# Altium PCB PCB2_homemade.PcbDoc (part 1 of 3)
Units mil, origin at the board's own origin, x right, y up, seen from the top; angles counter-clockwise.
Board outline 3547.27 x 5122.08 mil, 2 copper layers (Top Layer, Bottom Layer); 55 components, 55 nets, 298 pads, 98 vias.
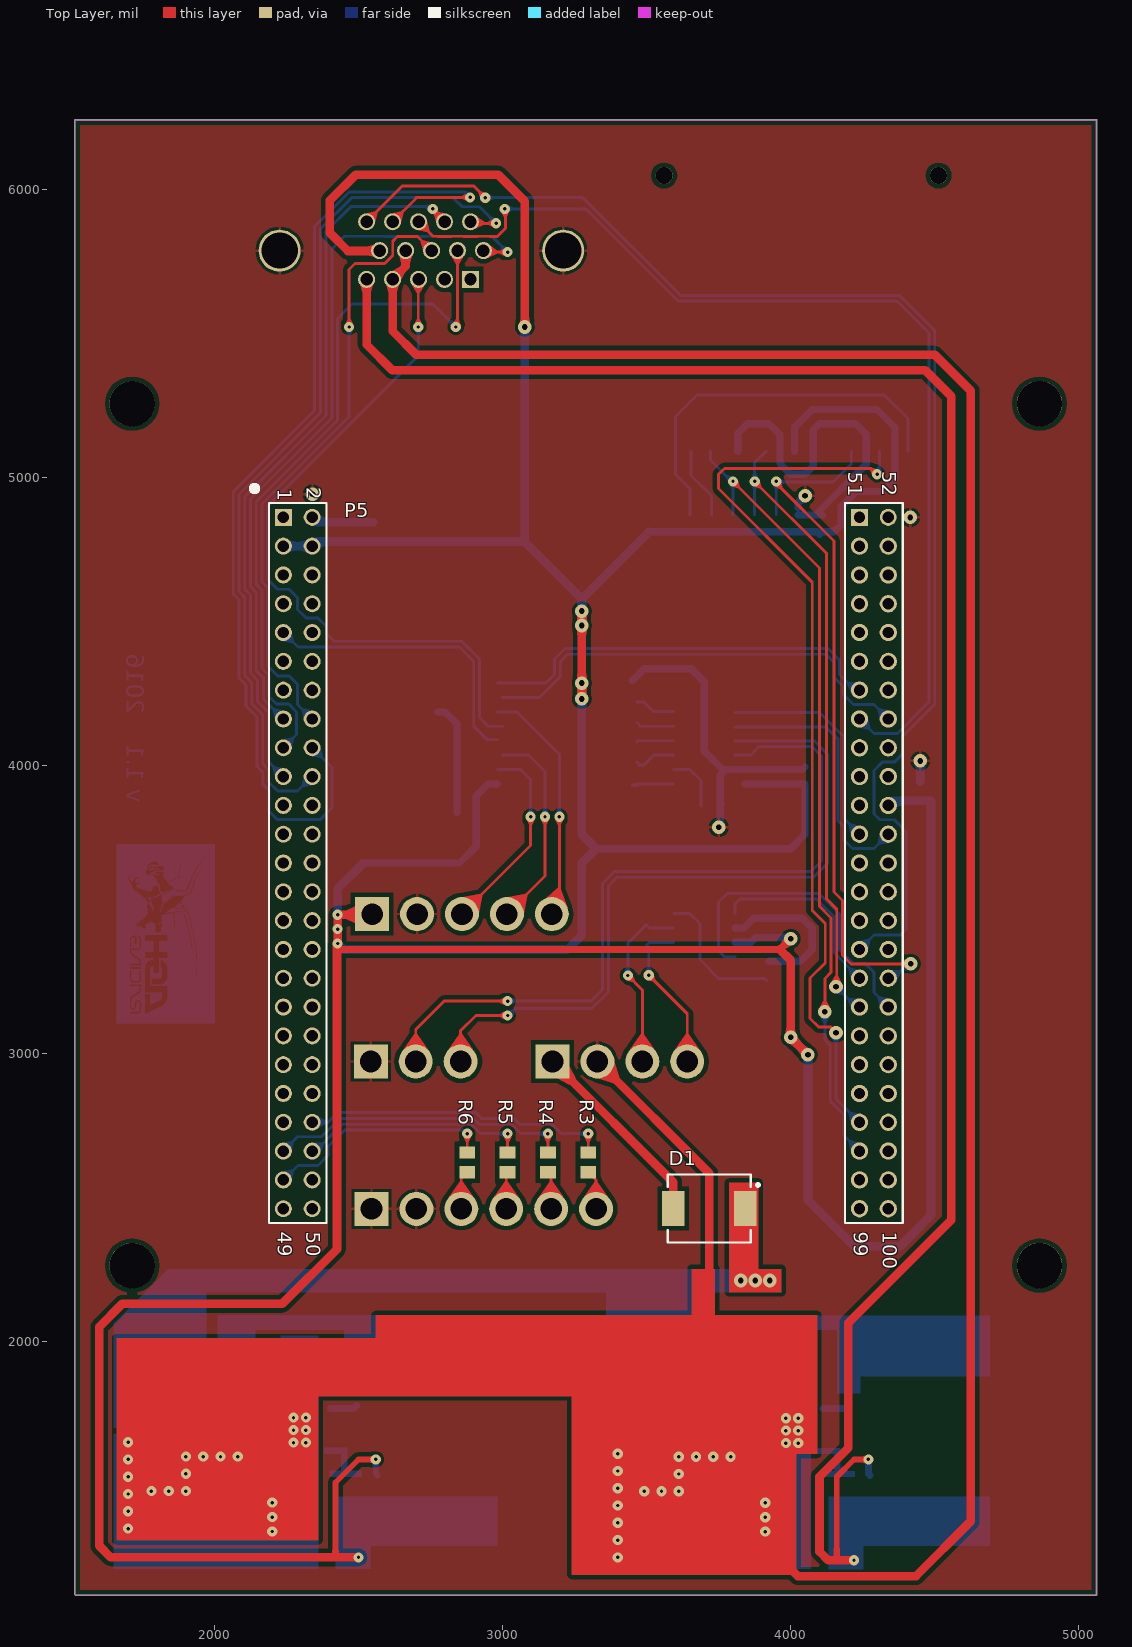
[diagram p0: Top Layer view]
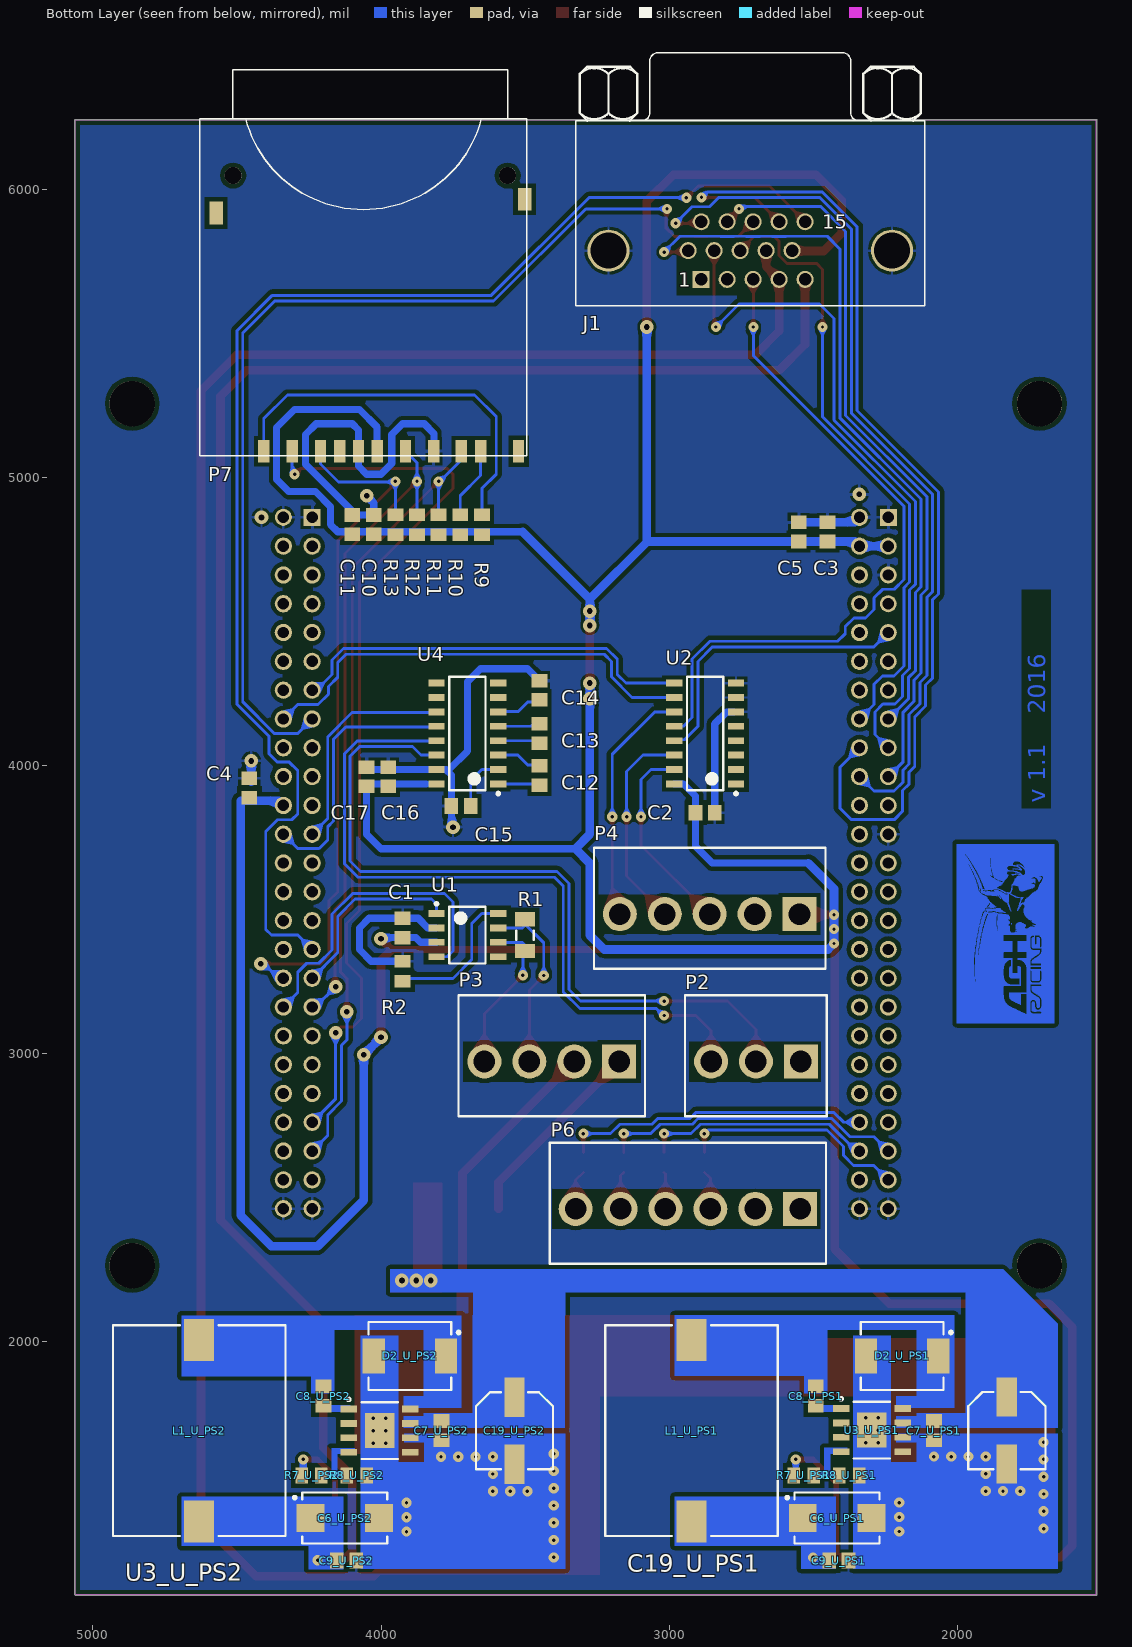
[diagram p1: Bottom Layer view, seen from below]
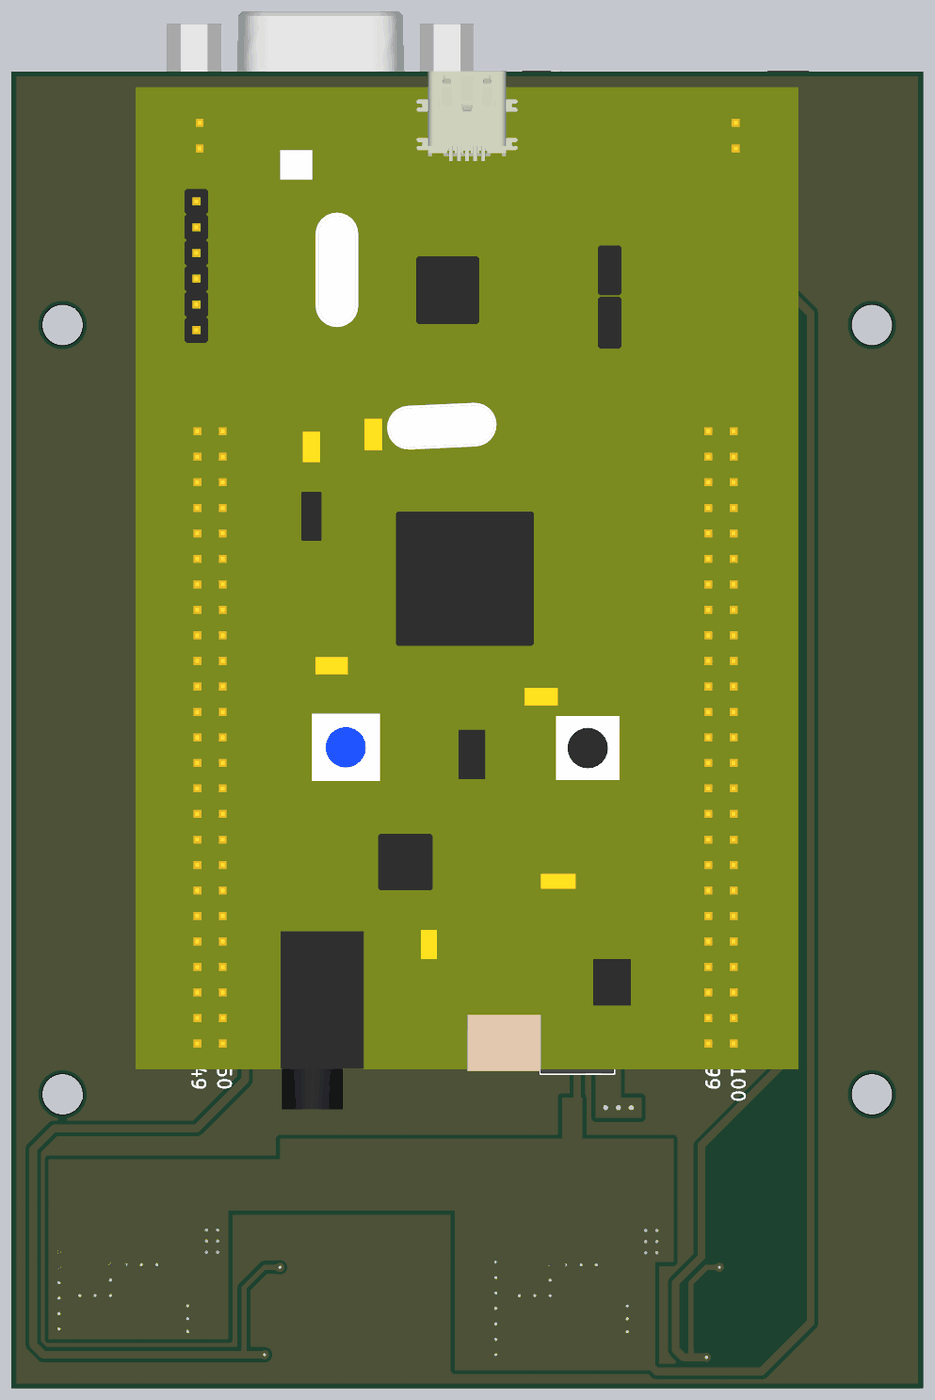
[diagram p4: 3D render of the assembled board from above, using the file's embedded part models]
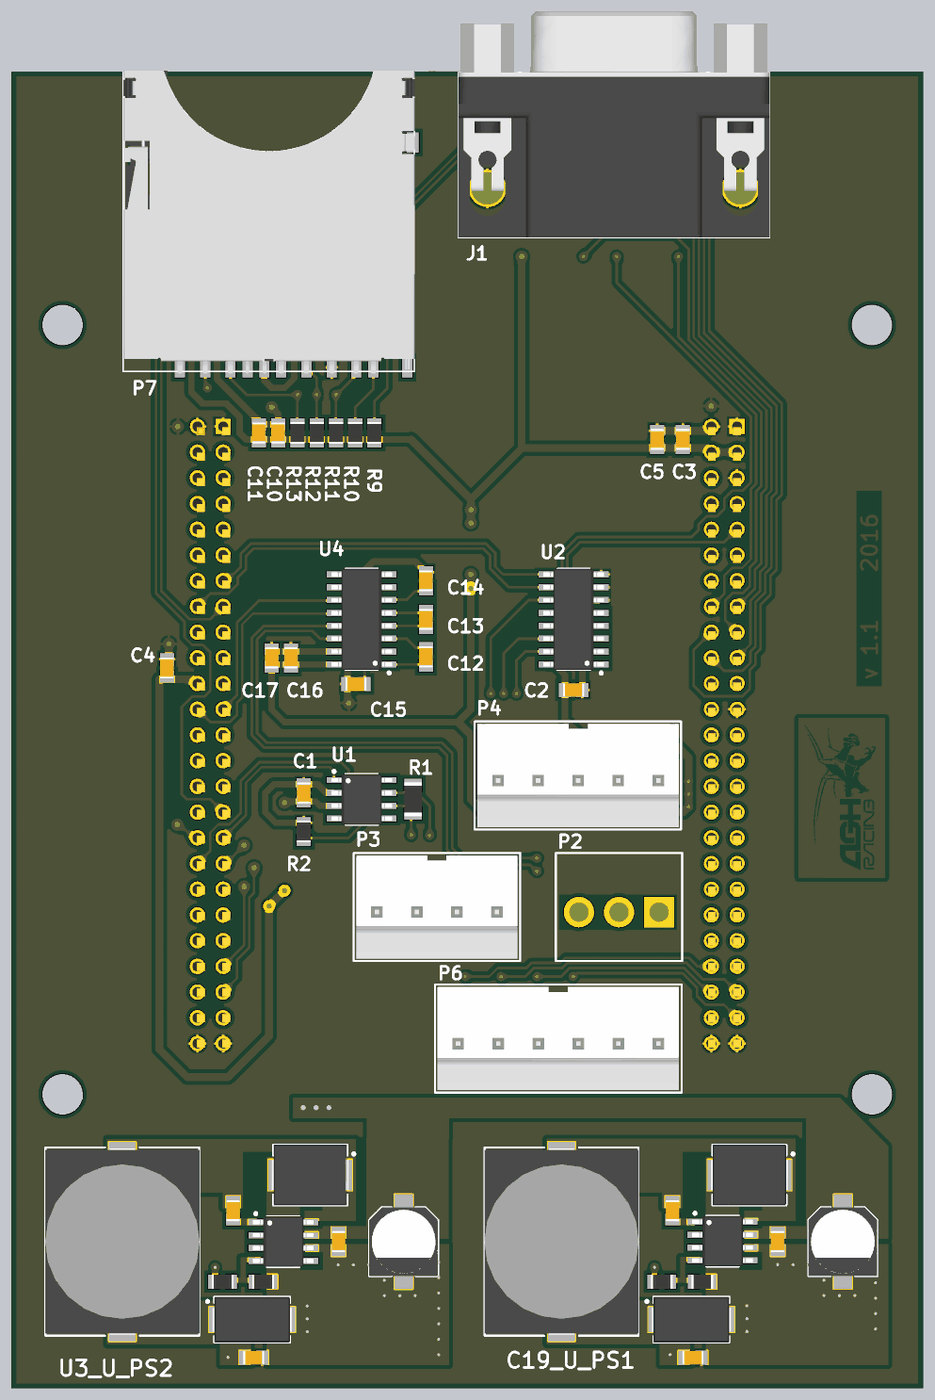
[diagram p5: 3D render of the assembled board from below, using the file's embedded part models]

## Layer stack, top to bottom
Top Solder: solder mask 0.4, Solder Resist, Dk 3.5
Top Layer: signal copper 1.4
Dielectric 1: dielectric 12.6, FR-4, Dk 4.8
Bottom Layer: signal copper 1.4
Bottom Solder: solder mask 0.4, Solder Resist, Dk 3.5

## Board outline
1515.34,1121.02 ccw(c1517.32,1121.02) 1517.32,1119.04 5060.63,1119.04 ccw(c5060.63,1121.02) 5062.61,1121.02 5062.61,6239.13 ccw(c5060.63,6239.13) 5060.63,6241.12 1517.32,6241.12 ccw(c1517.32,6239.13) 1515.34,6239.13

## Design rules (kind name [scope] priority, off if disabled: settings)
Clearance [All] p1: gap=10 except(15: Track-Poly SMDPad-Poly THPad-Poly THPad-Region Poly-Region)
PolygonConnect [All] p1: connectstyle=Relief reliefconductorwidth=10 reliefentries=4 polygonreliefangle="90 Angle" airgapwidth=10
RoomDefinition U_Discovery [InComponentClass('U_Discovery')] p1: confinementstyle=ConfineIn formatcopy=TRUE lockcomponents=FALSE outline 1911.02,2144.65 4666.93,2144.65 4666.93,6278.5 1911.02,6278.5
RoutingVias [All] p1: holewidth=28 width=50 viastyle="Through Hole" minholewidth=28 minwidth=50 maxholewidth=28 maxwidth=50
SolderMaskExpansion [All] p1: expansion=4
Width "Schematic Width Constraint_1" [InNet('NetD1_1')] p1: maxlimit=30 minlimit=20 preferedwidth=25 minimp=50.000000 maximp=50.000000 favimp=50.000000
Width "Schematic Width Constraint" [InNetClass('PowerNets')] p2: maxlimit=30 minlimit=20 preferedwidth=25 minimp=50.000000 maximp=50.000000 favimp=50.000000
Width [All] p3: maxlimit=10 minlimit=10 preferedwidth=10
30 further rules are at their usual default settings.

## Classes and differential pairs
channel class PS: U_PS1 U_PS2
net class PowerNets: +3V3 +5V +12V GND NetC8_U_PS1_1 NetC8_U_PS1_2 NetC8_U_PS2_1 NetC8_U_PS2_2 NetR7_U_PS1_1 NetR7_U_PS2_1 NetU3_U_PS1_2 NetU3_U_PS1_3 NetU3_U_PS1_5 NetU3_U_PS2_2 NetU3_U_PS2_3 NetU3_U_PS2_5
net class CTRL_LED[1..3]: CTRL_LED1 CTRL_LED2 CTRL_LED3
component class U_UART_TO_RS232: C12 C13 C14 C15 C16 C17 U4
component class U_SD_Card_Adapter: C10 C11 P7 R9 R10 R11 R12 R13
component class U_PS2: C6_U_PS2 C7_U_PS2 C8_U_PS2 C9_U_PS2 C19_U_PS2 D2_U_PS2 L1_U_PS2 R7_U_PS2 R8_U_PS2 U3_U_PS2
component class U_PS1: C6_U_PS1 C7_U_PS1 C8_U_PS1 C9_U_PS1 C19_U_PS1 D2_U_PS1 L1_U_PS1 R7_U_PS1 R8_U_PS1 U3_U_PS1
component class U_Discovery: C2 C3 C4 C5 P5 P6 R3 R4 R5 R6 U2
component class U_CAN_Module: C1 R1 R2 U1
component class Main: D1 J1 P2 P3 P4

## Components (designator, comment, footprint, x,y, rotation, side; value= is the part's Value field where it differs from the comment)
C1 "Cap" CAP_0805_IPC_MD 3925,3435 r270 bottom
C2 "Cap" CAP_0805_IPC_MD 2875,3835 r0 bottom
C3 "Cap" CAP_0805_IPC_MD 2450,4810 r270 bottom
C4 "Cap" CAP_0805_IPC_MD 4457.32,3921.02 r270 bottom
C5 "Cap" CAP_0805_IPC_MD 2550,4810 r270 bottom
C6_U_PS1 "Cap Pol" CAP_SMD_D_IPC_MD 2416.81,1386.53 r180 bottom (schematic designator C6)
C6_U_PS2 "Cap Pol" CAP_SMD_D_IPC_MD 4126.02,1386.53 r180 bottom (schematic designator C6)
C7_U_PS1 "Cap" CAP_0805_IPC_MD 2080.79,1690 r90 bottom (schematic designator C7)
C7_U_PS2 "Cap" CAP_0805_IPC_MD 3790,1690 r90 bottom (schematic designator C7)
C8_U_PS1 "Cap" CAP_0805_IPC_MD 2490.79,1810 r90 bottom (schematic designator C8)
C8_U_PS2 "Cap" CAP_0805_IPC_MD 4200,1810 r90 bottom (schematic designator C8)
C9_U_PS1 "Cap" CAP_0805_IPC_MD 2410.79,1238.72 r0 bottom (schematic designator C9)
C9_U_PS2 "Cap" CAP_0805_IPC_MD 4120,1238.72 r0 bottom (schematic designator C9)
C10 "Cap" CAP_0805_IPC_MD 4025,4835 r270 bottom
C11 "Cap" CAP_0805_IPC_MD 4100,4835 r270 bottom
C12 "Cap" CAP_0805_IPC_MD 3450,3964.16 r270 bottom
C13 "Cap" CAP_0805_IPC_MD 3450,4110 r270 bottom
C14 "Cap" CAP_0805_IPC_MD 3450,4260 r270 bottom
C15 "Cap" CAP_0805_IPC_MD 3722.05,3858.43 r180 bottom
C16 "Cap" CAP_0805_IPC_MD 3975,3960 r270 bottom
C17 "Cap" CAP_0805_IPC_MD 4050,3960 r270 bottom
C19_U_PS1 "Cap Pol" CAPAE7866X80M 1827.43,1690 r270 bottom (schematic designator C19)
C19_U_PS2 "Cap Pol" CAPAE7866X80M 3536.64,1689.61 r270 bottom (schematic designator C19)
D1 "SK33" DO214AB_IPC_MD 3717.32,2461.02 r0 top
D2_U_PS1 "SK33" DO214AB_IPC_MD 2190.79,1949.07 r180 bottom (schematic designator D2)
D2_U_PS2 "SK33" DO214AB_IPC_MD 3900,1949.07 r180 bottom (schematic designator D2)
J1 "D-SUB 15" Dsub-3H15 2718.11,5786.38 r180 bottom
L1_U_PS1 "Inductor" IND_DL50_IPC_MD 2921.9,1690 r270 bottom (schematic designator L1)
L1_U_PS2 "Inductor" IND_DL50_IPC_MD 4631.11,1690 r270 bottom (schematic designator L1)
P2 "EMU" HDR_1x3_3_94_LOCKING 2698.43,2971.42 r0 bottom locked
P3 "CAN" HDR_1x4_3_94_LOCKING 3407.09,2971.42 r0 bottom locked
P4 "STEERING WHEEL" HDR_1x5_3_94_LOCKING 3170.87,3483.23 r0 bottom
P5 "STM32F4DISCOVERY" DISCOVERY_F4 3288.98,3660.39 r0 top locked
P6 "CONTROL LEDS" HDR_1x6_3_94_LOCKING 2934.65,2459.61 r0 bottom locked
P7 "SD Card Connector" 693061010911 4037.01,5568.43 r0 bottom locked
R1 "Res" RES_1206_IPC_MD 3500,3410 r90 bottom
R2 "Res" RES_0805_IPC_MD 3925,3285 r270 bottom
R3 "Res" RES_0805_IPC_MD 3297.32,2621.02 r270 top
R4 "Res" RES_0805_IPC_MD 3157.32,2621.02 r270 top
R5 "Res" RES_0805_IPC_MD 3017.32,2621.02 r270 top
R6 "Res" RES_0805_IPC_MD 2877.32,2621.02 r270 top
R7_U_PS1 "Res" RES_0805_IPC_MD 2531.97,1534.33 r0 bottom (schematic designator R7)
R7_U_PS2 "Res" RES_0805_IPC_MD 4241.18,1534.33 r0 bottom (schematic designator R7)
R8_U_PS1 "Res" RES_0805_IPC_MD 2374.49,1534.33 r0 bottom (schematic designator R8)
R8_U_PS2 "Res" RES_0805_IPC_MD 4083.7,1534.33 r0 bottom (schematic designator R8)
R9 "Res" RES_0805_IPC_MD 3650,4835 r270 bottom
R10 "Res" RES_0805_IPC_MD 3725,4835 r270 bottom
R11 "Res" RES_0805_IPC_MD 3800,4835 r270 bottom
R12 "Res" RES_0805_IPC_MD 3875,4835 r270 bottom
R13 "Res" RES_0805_IPC_MD 3950,4835 r270 bottom
U1 "SN65HVD230D" SOIC_8_IPC_MD 3700,3410 r180 bottom
U2 "CD74HC4052" SO_16_IPC_MD 2875,4110 r0 bottom
U3_U_PS1 "TPS5430" SOIC_8_THERMAL_PAD_IPC_MD 2295.75,1691.81 r180 bottom (schematic designator U3)
U3_U_PS2 "TPS5430" SOIC_8_THERMAL_PAD_IPC_MD 4005,1690 r180 bottom (schematic designator U3)
U4 "MAX232IDW" SO_16_IPC_MD 3700,4110 r0 bottom

## Footprints (in the part's own frame and the unit in brackets; to place one, negate y for a bottom-side part, rotate by r counter-clockwise, add the part's x,y. Pads: shape width x height; smd on the part's side, far side on the other; paste and mask are expansions set on the pad)
693061010911 [mm] "WR-CRD SD_Push and Push_with card detection_9 pins"
  rect 1x2 smd: 1(6.9,12.155) 2(4.4,12.155) 3(1.05,12.155) 4(-0.6,12.155) 5(-3.1,12.155) 6(-5.6,12.155) 7(-8.02,12.155) 8(-9.72,12.155) 9(9.4,12.155) CD(2.7,12.155) WP(-13.07,12.155)
  rect 1.2x2 smd: Z1(-13.6,-10.055) Z2(13.6,-8.855)
  round 1.5 hole 1.5 unplated: ""(-12.1,-12.155) ""(12.1,-12.155)
  silkscreen extent -13.77,-21.5 15.03,12.54, body extent -13.8,-17.16 15,12.74, height 3.06
CAP_0805_IPC_MD [mm] "Chip Capacitor, 2-Leads, 0805, SAMSUNG, IPC Medium Density"
  rect 1.2x1.4 smd: 1(-0.85,0) 2(0.85,0)
  body extent -1.05,-0.67 1.05,0.67, height 1.35
CAP_SMD_D_IPC_MD [mm] "Capacitor SMD D, IPC Medium Density"
  rect 2.45x2.5 smd: 1(-3.025,0) 2(3.025,0)
  silkscreen extent -4.53,-2.25 3.75,2.25, body extent -3.97,-2.25 3.97,2.25, height 3.1
CAPAE7866X80M [mm] "Aluminum Electrolytic Capacitor, Body 6,60x6,60x8,00mm, IPC Low Density"
  rect 3.45x1.8 smd: 1(-2.95,0) 2(2.95,0)
  silkscreen extent -3.4,-3.4 3.4,3.4, body extent -3.9,-3.4 3.9,3.4, height 8
DISCOVERY_F4 [mm] "Connector; Header; 25x2 Position"
  rect 1.5x1.5 hole 1: 1(-26.67,30.48) 51(24.13,30.48)
  round 1.5 hole 1: 2(-24.13,30.48) 3(-26.67,27.94) 4(-24.13,27.94) 5(-26.67,25.4) 6(-24.13,25.4) 7(-26.67,22.86) 8(-24.13,22.86) 9(-26.67,20.32) 10(-24.13,20.32) 11(-26.67,17.78) 12(-24.13,17.78) 13(-26.67,15.24) 14(-24.13,15.24) 15(-26.67,12.7) 16(-24.13,12.7) 17(-26.67,10.16) 18(-24.13,10.16) 19(-26.67,7.62) 20(-24.13,7.62) 21(-26.67,5.08) 22(-24.13,5.08) 23(-26.67,2.54) 24(-24.13,2.54) 25(-26.67,0) 26(-24.13,0) 27(-26.67,-2.54) 28(-24.13,-2.54) 29(-26.67,-5.08) 30(-24.13,-5.08) 31(-26.67,-7.62) 32(-24.13,-7.62) 33(-26.67,-10.16) 34(-24.13,-10.16) 35(-26.67,-12.7) 36(-24.13,-12.7) 37(-26.67,-15.24) 38(-24.13,-15.24) 39(-26.67,-17.78) 40(-24.13,-17.78) 41(-26.67,-20.32) 42(-24.13,-20.32) 43(-26.67,-22.86) 44(-24.13,-22.86) 45(-26.67,-25.4) 46(-24.13,-25.4) 47(-26.67,-27.94) 48(-24.13,-27.94) 49(-26.67,-30.48) 50(-24.13,-30.48) 52(26.67,30.48)
  round 1.524 hole 1: 53(24.13,27.94) 54(26.67,27.94) 55(24.13,25.4) 56(26.67,25.4) 57(24.13,22.86) 58(26.67,22.86) 59(24.13,20.32) 60(26.67,20.32) 61(24.13,17.78) 62(26.67,17.78) 63(24.13,15.24) 64(26.67,15.24) 65(24.13,12.7) 66(26.67,12.7) 67(24.13,10.16) 68(26.67,10.16) 69(24.13,7.62) 70(26.67,7.62) 71(24.13,5.08) 72(26.67,5.08) 73(24.13,2.54) 74(26.67,2.54) 75(24.13,0) 76(26.67,0) 77(24.13,-2.54) 78(26.67,-2.54) 79(24.13,-5.08) 80(26.67,-5.08) 81(24.13,-7.62) 82(26.67,-7.62) 83(24.13,-10.16) 84(26.67,-10.16) 85(24.13,-12.7) 86(26.67,-12.7) 87(24.13,-15.24) 88(26.67,-15.24) 89(24.13,-17.78) 90(26.67,-17.78) 91(24.13,-20.32) 92(26.67,-20.32) 93(24.13,-22.86) 94(26.67,-22.86) 95(24.13,-25.4) 96(26.67,-25.4) 97(24.13,-27.94) 98(26.67,-27.94) 99(24.13,-30.48) 100(26.67,-30.48)
  silkscreen extent -29.46,-31.75 27.94,33.27, body extent -32.77,-36.99 32.73,65.58, height 17.5
DO214AB_IPC_MD [mm] "Molded Diode, DO214AB, Diotec Semiconductor, IPC Medium Density"
  rect 1.95x3.05 smd: 1(-3.175,0) 2(3.175,0)
  silkscreen extent -3.65,-3 4.43,3, body extent -3.85,-3 3.84,3, height 2.5
Dsub-3H15 [mm] "Dsub 15 pins, right angled"
  rect 1.5x1.5 hole 1.1: 1(-4.33,-2.54)
  round 1.5 hole 1.1: 2(-2.04,-2.54) 3(0.25,-2.54) 4(2.54,-2.54) 5(4.83,-2.54) 6(-5.475,0) 7(-3.185,0) 8(-0.895,0) 9(1.395,0) 10(3.685,0) 11(-4.33,2.54) 12(-2.04,2.54) 13(0.25,2.54) 14(2.54,2.54) 15(4.83,2.54)
  round 3.7 hole 3.2: 16(12.5,0) 17(-12.5,0)
  silkscreen extent -15.4,-4.87 15.4,17.43, body extent -15.4,-4.86 15.4,17.44, height 12.51
HDR_1x3_3_94_LOCKING [mm]
  rect 3x3 hole 1.9: 1(-3.96,0)
  round 3 hole 1.9: 2(0,0) 3(3.96,0)
  silkscreen extent -6.25,-5.84 6.25,4.83
HDR_1x4_3_94_LOCKING [mm]
  rect 3x3 hole 1.9: 1(-5.94,0)
  round 3 hole 1.9: 2(-1.98,0) 3(1.98,0) 4(5.94,0)
  silkscreen extent -8.23,-5.84 8.23,4.83, body extent -7.97,-5.6 7.98,4.6, height 13.85
HDR_1x5_3_94_LOCKING [mm]
  rect 3x3 hole 1.9: 1(-15.84,0)
  round 3 hole 1.9: 2(-11.88,0) 3(-7.92,0) 4(-3.96,0) 5(0,0)
  silkscreen extent -18.13,-5.84 2.29,4.83, body extent -17.92,-5.6 1.99,4.6, height 13.85
HDR_1x6_3_94_LOCKING [mm]
  rect 3x3 hole 1.9: 1(-9.9,0)
  round 3 hole 1.9: 2(-5.94,0) 3(-1.98,0) 4(1.98,0) 5(5.94,0) 6(9.9,0)
  silkscreen extent -12.19,-5.84 12.19,4.83, body extent -11.93,-5.6 11.94,4.6, height 13.85
IND_DL50_IPC_MD [mm] "DL50, Inductor, Ferrocore, IPC Medium Density"
  rect 3.7x2.65 smd: 1(-8,0) 2(8,0)
  silkscreen extent -9.3,-7.6 9.3,7.6, body extent -9.18,-7.62 9.18,7.62, height 7.21
RES_0805_IPC_MD [mm] "Chip Resistor, 2-Leads, 0805, Royal Ohm, IPC Medium Density"
  rect 1.1x1.4 smd: 1(-0.875,0) 2(0.875,0)
  body extent -1.07,-0.7 1.07,0.7, height 0.65
RES_1206_IPC_MD [mm] "Chip Resistor, 2-Leads, 1206, IPC Medium Density"
  rect 1.25x1.75 smd: 1(-1.4,0) 2(1.4,0)
  silkscreen extent -0.4,-0.77 0.4,0.77, body extent -1.68,-0.87 1.68,0.87, height 0.71
SO_16_IPC_MD [mm] "SO, 16-Leads, Pitch 1,27mm, IPC Medium Density"
  rect 1.45x0.6 smd: 1(-2.725,4.445) 2(-2.725,3.175) 3(-2.725,1.905) 4(-2.725,0.635) 5(-2.725,-0.635) 6(-2.725,-1.905) 7(-2.725,-3.175) 8(-2.725,-4.445) 9(2.725,-4.445) 10(2.725,-3.175) 11(2.725,-1.905) 12(2.725,-0.635) 13(2.725,0.635) 14(2.725,1.905) 15(2.725,3.175) 16(2.725,4.445)
  silkscreen extent -2.85,-5 1.6,5.42, body extent -3,-5 3,5, height 1.75
SOIC_8_IPC_MD [mm] "SOIC, 8-Leads, Pitch 1,27mm, IPC Medium Density"
  rect 1.45x0.6 smd: 1(-2.725,1.905) 2(-2.725,0.635) 3(-2.725,-0.635) 4(-2.725,-1.905) 5(2.725,-1.905) 6(2.725,-0.635) 7(2.725,0.635) 8(2.725,1.905)
  silkscreen extent -2.85,-2.5 1.6,2.88, body extent -3,-2.5 3,2.5, height 1.75
SOIC_8_THERMAL_PAD_IPC_MD [mm] "SOIC, 8-Leads, Thermal Pad 3,10x2,60mm, IPC Medium Density"
  rect 1.45x0.6 smd: 1(-2.725,1.905) 2(-2.725,0.635) 3(-2.725,-0.635) 4(-2.725,-1.905) 5(2.725,-1.905) 6(2.725,-0.635) 7(2.725,0.635) 8(2.725,1.905)
  rect 2.6x3.1 smd: 9(0,0)
  silkscreen extent -2.85,-2.5 1.6,2.88, body extent -3,-2.5 3,2.5, height 1.75

## Part data
C1 C2 C3 C4 C5 C7_U_PS1 C7_U_PS2 C8_U_PS1 C8_U_PS2 C9_U_PS1 C9_U_PS2 C10 C11 C12 C13 C14 C15 C16 C17: "Capacitor"
C6_U_PS1 C6_U_PS2 C19_U_PS1 C19_U_PS2: "Polarized Capacitor (Axial)"
D1 D2_U_PS1 D2_U_PS2: "Schottky Diode"
J1: "Receptacle Assembly, 15-Pin, Sim Line Connector"
P2: library part MHDR1X3, "ST1212 3 pin waterproof connector"
P3: library part "Header 4", "Header, 4-Pin"
P4: library part "Header 5", "Header, 5-Pin"
P5: "STM32F4DISCOVERY connector for shield"
P6: library part "Header 6", "Header, 6-Pin"
P7: "WR-CRD SD_Push and Push"
R1 R2 R3 R4 R5 R6 R7_U_PS1 R7_U_PS2 R8_U_PS1 R8_U_PS2 R9 R10 R11 R12 R13: "Resistor"
U1: library part SN65HVD230DR, "3.3V CAN Transceiver with Standby Mode, 17 mA, -40 to 85 degC, 8-pin SOIC (D), Green (RoHS & no Sb/Br)"
U2: "MUX/DEMUX"
U3_U_PS1 U3_U_PS2: "3-A, Wide Input Range, Step-Down Converter"
U4: "Dual EIA-232 Driver / Receiver, -40 to 85 degC, 16-Pin SOIC (DW), Green (RoHS & no Sb/Br)"

## Free pads (board coordinates)
  round 157.48 hole 157.48 unplated: 1(1714.17,2262.76) 1(1714.17,5254.88) 1(4863.78,2262.76) 1(4863.78,5254.88)

## Via types
v1: diameter 35.43/35.43 (per signal layer), hole 11.81, Top Layer to Bottom Layer, tented both sides, 66 vias
v2: diameter 47.24/47.24 (per signal layer), hole 19.68, Top Layer to Bottom Layer, tented both sides, 17 vias
v3: diameter 35.43, hole 11.81, Top Layer to Bottom Layer, tented top, 12 vias
v4: diameter 47.24/47.24 (per signal layer), hole 19.68, Top Layer to Bottom Layer, 3 vias

## Nets (pads, with @x,y where several pads share a name; then routed paths per layer and width w, separated by ;. In a path a pad name is that pad's centre, name@x,y a point inside that pad or via, vN(x,y) a via of type N, cw(c..) or ccw(c..) an arc to the next point about the centre after c; other vN are vias at no path point)
+3V3: C1.2 C2.2 C3.2 C4.2 C5.2 C6_U_PS1.1 C9_U_PS1.2 C10.2 C11.2 C16.2 C17.2 J1.10 L1_U_PS1.2 P4.1 P5.3 P5.4 P5.72 P7.4 R7_U_PS1.2 R9.2 R10.2 R11.2 R12.2 R13.2 U1.3 U2.16 U4.16 | length 19044
  Top Layer w20: 2420,1250 2420,1510 2500,1590 v1(2560,1590)
  Top Layer w25: v1(2427.32,3381.02) 2427.32,3360 3962.5,3360 v2(4000,3397.5) ; v4(4000,3055) v4@4009.93,3054.17
  Top Layer w30: v1(2500,1250) 1640,1250 1600,1290 1600,2050 1680,2130 2235,2130 2425,2320 2425,3378.7 v1(2427.32,3381.02) v1(2427.32,3431.02) v1(2427.32,3481.02) 2545.04,3481.02 P4.1@2547.24,3483.23 ; J1.10@2575,5785 2463.35,5785 2400,5848.35 2400,5960 2490,6050 2985,6050 3077.32,5957.68 v2(3077.32,5521.02) ; v4(3275,4230) v2(3275,4285) v2(3275,4485) v2(3275,4535) ; 3962.5,3360 4000,3322.5 v4(4000,3055) v4(4060,2995)
  Bottom Layer w20: v1(2560,1590) 2560,1540.75 R7_U_PS1.2@2566.42,1534.33
  Bottom Layer w25: 2516.3,3660 2850,3660 2908.46,3718.46 2908.46,3893.46 2950,3935 U2.16@2982.28,3935 ; L1_U_PS1.2@2886.3,1376.85 L1_U_PS1.2@2925.67,1337.48 ; 3325,3710 4000,3710 4050,3760 4050,3935 3842.72,3935 ; 3508.46,4810 4091.54,4810 C11.2@4100,4801.54 4108.46,4810 4150,4810 4175,4835 4175,4897.5 4227.5,4950 4320,4950 4362.5,4992.5 4362.5,5172.5 4300,5235 4075,5235 4013.39,5173.39 P7.4@4013.39,5089.88 ; U1.3@3807.28,3385 3862.5,3385 3879.04,3401.54 C1.2@3920.51,3401.54 ; C1.2@3925,3401.54 3995.96,3401.54 v2(4000,3397.5)
  Bottom Layer w30: P5.3@2238.98,4760.39 P5.4@2338.98,4760.39 2355.12,4776.54 C3.2@2450,4776.54 C5.2@2550,4776.54 3075,4776.54 ; 2516.3,3660 2427.32,3571.02 v1(2427.32,3381.02) 2448.35,3360 3225,3360 3275,3410 3275,3660 3325,3710 3275,3760 v4(3275,4230) v2(3275,4285) ; v2(3077.32,5521.02) 3077.32,4778.86 3075,4776.54 ; v2(3275,4485) v2(3275,4535) 3275,4576.54 ; 3508.46,4810 3275,4576.54 ; v4(4000,3055) v4(4060,2995) 4060,2490 4220,2330 4380,2330 4487.32,2437.32 4487.32,3876.54 4355.12,3876.54 P5.72@4338.98,3860.39 ; 3075,4776.54 3275,4576.54
+5V: C6_U_PS2.1 C9_U_PS2.2 J1.5 L1_U_PS2.2 R7_U_PS2.2 | length 7201.1
  Top Layer w20: 4160,1240 4160,1530 4220,1590 v1(4270,1590)
  Top Layer w30: J1.5@2527.95,5686.38 2527.95,5460.4 2617.32,5371.02 4467.32,5371.02 4557.32,5281.02 4557.32,2421.02 4200,2063.7 4200,1630 4100,1530 4100,1270 4130,1240 4160,1240 v1(4220,1240)
  Bottom Layer w25: v1(4270,1590) 4270,1539.96 R7_U_PS2.2@4275.63,1534.33 ; L1_U_PS2.2@4595.51,1376.85 L1_U_PS2.2@4634.88,1337.48
+12V: C7_U_PS1.2 C7_U_PS2.2 C19_U_PS1.1 C19_U_PS2.1 D1.2 U3_U_PS1.7 U3_U_PS2.7
  other v2: 3827.32,2211.02 3877.32,2211.02 3927.32,2211.02
BLUE_LED: P5.47 R6.1 | length 798.7
  Top Layer w10: R6.1@2877.32,2655.47 v1(2877.32,2721.02)
  Bottom Layer w10: P5.47@2238.98,2560.39 2289.45,2610.87 2359.49,2610.87 2394.47,2645.84 2394.47,2676.19 2452.02,2733.74 2864.61,2733.74 v1(2877.32,2721.02)
BUT_1: J1.14 P5.18 | length 3586.1
  Top Layer w10: J1.14@2618.12,5886.38 2700.87,5969.13 2700,5970 2701.02,5971.02 v1(2887.32,5971.02)
  Bottom Layer w10: P5.18@2338.98,4060.39 2407.32,3992.05 2407.32,3851.02 2367.17,3810.87 2318.46,3810.87 2318.3,3811.02 2259.65,3811.02 2259.49,3810.87 2218.46,3810.87 2189.45,3839.88 2189.45,3911.59 2167.34,3933.71 2167.34,3975.47 2147.34,3995.47 2147.34,4167.18 2109.45,4205.07 2109.45,4278.46 2085,4302.91 2085,4574.62 2065,4594.62 2065,4948.41 2347.32,5230.73 2347.32,5869.31 2468.01,5990 2868.35,5990 v1(2887.32,5971.02)
BUT_2: J1.15 P5.81 | length 4686.2
  Top Layer w10: J1.15@2527.96,5886.38 2651.58,6010 2900,6010 v1(2940,5970)
  Bottom Layer w10: v1(2940,5970) 3278.35,5970 3617.32,5631.02 4377.26,5631.02 4500,5508.28 4500,4211.72 4388.98,4100.69 4388.98,4039.68 4359.69,4010.39 4318.27,4010.39 4288.98,3981.1 4288.98,3831.02 4309.61,3810.39 4359.69,3810.39 4400,3770.08 4400,3430 4380.39,3410.39 4288.98,3410.39 P5.81@4238.98,3360.39
CAN1_RX: P5.86 U1.4 | length 1114.8
  Bottom Layer w10: U1.4@3807.28,3335 3770,3335 3750,3355 3750,3525 3780,3555 4098.28,3555 4170,3483.28 4170,3358.66 4216.09,3312.57 4257.51,3312.57 4288.98,3281.1 4288.98,3210.39 P5.86@4338.98,3160.39
CAN1_TX: P5.83 U1.1 | length 658.7
  Bottom Layer w10: U1.1@3807.28,3485 3807.28,3517.28 3825,3535 4090,3535 4150,3475 4150,3349.37 P5.83@4238.98,3260.39
CANH: P3.3 R1.2 U1.7 | length 621.2
  Top Layer w10: v1(3435,3270) 3485.04,3219.96 P3.3@3485.04,2971.42
  Bottom Layer w10: v1(3435,3270) 3435,3383.35 3498.05,3446.4 3509.45,3435 U1.7@3592.72,3435
CANL: P3.4 R1.1 U1.6 | length 559.1
  Top Layer w10: v1(3507.32,3271.02) 3640.94,3137.4 P3.4@3640.94,2971.42
  Bottom Layer w10: v1(3507.32,3271.02) 3507.32,3368.23 3500,3375.55 3509.45,3385 U1.6@3592.72,3385
CTRL_LED1: P4.4 U2.14 | length 720.3
  Top Layer w10: P4.4@3014.96,3483.23 3147.32,3615.59 v1(3147.32,3821.02)
  Bottom Layer w10: U2.14@3000,4035 3090,4035 3147.32,3977.68 v1(3147.32,3821.02)
CTRL_LED2: P4.3 U2.15 | length 695.3
  Top Layer w10: P4.3@2859.05,3483.23 3097.32,3721.5 v1(3097.32,3821.02)
  Bottom Layer w10: U2.15@2982.28,3985 3062.8,3985 3097.32,3950.47 v1(3097.32,3821.02)
CTRL_LED3: P4.5 U2.11 | length 864.3
  Top Layer w10: P4.5@3170.87,3483.23 3197.32,3509.68 v1(3197.32,3821.02)
  Bottom Layer w10: U2.11@2982.28,4185 3050,4185 3197.32,4037.68 v1(3197.32,3821.02) ; P4.5@3150,3499.37 P4.5@3166.14,3483.23
GDISP_CS: J1.13 P5.65 | length 3655.9
  Top Layer w10: J1.13@2708.27,5886.38 2758.74,5835.91 2773.86,5835.91 2774.77,5835 2822.09,5835 2822.99,5835.91 2864.02,5835.91 2864.93,5835 2912.25,5835 2913.15,5835.91 2954.18,5835.91 2955.09,5835 2981.3,5835 3010.04,5863.74 3010.04,5924.96 v1@3003.98,5931.02 ; v1@2996.02,5931.02 v1(3007.32,5931.02)
  Bottom Layer w10: v1(3007.32,5931.02) 3289.04,5931.02 3609.04,5611.02 4368.98,5611.02 4480,5500 4480,4220 4370.39,4110.39 4288.98,4110.39 P5.65@4238.98,4160.39
GND: C1.1 C2.1 C3.1 C4.1 C5.1 C6_U_PS1.2 C6_U_PS2.2 C7_U_PS1.1 C7_U_PS2.1 C9_U_PS1.1 C9_U_PS2.1 C10.1 C11.1 C14.1 C15.1 C16.1 C17.1 C19_U_PS1.2 C19_U_PS2.2 D2_U_PS1.1 D2_U_PS2.1 J1.4 J1.9 J1.16 J1.17 P2.1 P3.2 P4.2 P5.1 P5.2 P5.5 P5.23 P5.49 P5.50 P5.51 P5.52 P5.99 P5.100 P6.1 P6.2 P7.3 P7.6 R2.1 R8_U_PS1.1 R8_U_PS2.1 U1.2 U2.6 U2.7 U2.8 U3_U_PS1.6 U3_U_PS1.9 U3_U_PS2.6 U3_U_PS2.9 U4.15 | length 11613.6
  Top Layer w30: J1.9@2663.2,5786.38 2663.2,5731.46 J1.4@2618.12,5686.38 2618.12,5506.88 2700,5425 4500,5425 4625,5300 4625,1375 4435,1185 4025,1185 3970,1240 ; P3.2@3329.13,2971.42 3717.32,2583.23 3717.32,2241.02
  Bottom Layer w20: P5.1@2222.05,4843.46 P5.1@2238.98,4860.39 ; C15.1@3755.51,3858.43 C15.1@3761.42,3864.33 ; v2@4450,4014.33 v2(4450.39,4014.72)
  Bottom Layer w25: U2.6@2775,4185 2800,4185 2841.54,4143.46 C2.1@2841.54,3836.6 ; C14.1@3450,4293.46 3491.54,4335 3655,4335 3700,4290 3700,4048.74 3763.74,3985 ; v2(3750,3785) 3755.51,3790.51 C15.1@3755.51,3858.43 3755.51,3965.51 3775,3985 U4.15@3807.28,3985 4041.54,3985 C17.1@4050,3993.46 ; U1.2@3807.28,3435 3837.5,3435 3870.96,3468.46 4041.54,3468.46 4075,3435 4075,3360 4034.45,3319.45 R2.1@3925,3319.45 ; P7.6@3816.54,5089.88 3816.54,5151.54 3850,5185 3925,5185 3962.5,5147.5 3962.5,5047.5 4000,5010 4050,5010 4078.35,5038.35 4078.35,5163.35 4100,5185 4225,5185 4262.5,5147.5 4262.5,5044.98 C11.1@4092.99,4875.47 ; C10.1@4025,4868.46 C11.1@4110.99,4868.46 ; 4025,4893.46 4025,4910 v2(4050,4935)
  Bottom Layer w30: P5.2@2338.98,4860.39 2355.91,4843.46 C5.1@2550,4843.46 ; C4.1@4450,3943.46 4450.39,3943.86 v2(4450.39,4014.72)
  other v1: 3400,1250 3400,1310 2200.79,1340 3911.65,1339.61 1700,1350 3400,1370 2200.79,1390 3911.65,1389.61 1700,1410 3400,1430 2200.79,1440 3911.65,1439.61 1700,1470 1780.79,1480 1840.79,1480 1900.79,1480 3491.65,1479.61 3551.65,1479.61 3611.65,1479.61 3400,1490 1700,1530 1900.79,1540 3611.65,1539.61 3400,1550 1700,1590 1900.79,1600 1960.79,1600 2020.79,1600 2080.79,1600 3611.65,1599.61 3671.65,1599.61 3731.65,1599.61 3791.65,1599.61 3400,1610 1700,1650
  other v2: 4415,4860 2340,4940
  other v3: 3983.35,1646.69 4026.65,1646.69 2274.09,1648.5 2317.4,1648.5 3983.35,1690 4026.65,1690 2274.09,1691.81 2317.4,1691.81 3983.35,1733.31 4026.65,1733.31 2274.09,1735.12 2317.4,1735.12
GREEN_LED: P5.44 R3.1 | length 1067.8
  Top Layer w10: R3.1@3297.32,2655.47 v1(3297.32,2721.02)
  Bottom Layer w10: P5.44@2338.98,2760.39 2393.83,2760.39 2427.17,2793.74 2907.44,2793.74 2927.44,2773.74 3039.16,2773.74 3059.16,2753.74 3170.87,2753.74 3203.59,2721.02 v1(3297.32,2721.02)
MULTI_1: P5.66 U2.10 | length 1571.1
  Bottom Layer w10: U2.10@3000,4235 3128.28,4235 3200,4306.72 3200,4360 3225,4385 4121.72,4385 4150,4356.72 4150,4305 4182.22,4272.78 4182.22,4246.44 4218.27,4210.39 4288.98,4210.39 P5.66@4338.98,4160.39
MULTI_2: P5.63 U2.9 | length 1426.8
  Bottom Layer w10: U2.9@2982.28,4285 3150,4285 3180,4315 3180,4368.28 3216.72,4405 4130,4405 4170,4365 4170,4315 4224.61,4260.39 P5.63@4238.98,4260.39
NetC8_U_PS1_1: C8_U_PS1.1 U3_U_PS1.1 | length 93.6
  Bottom Layer w25: U3_U_PS1.1@2403.03,1766.81 2482.95,1766.81 C8_U_PS1.1@2492.6,1776.46
NetC8_U_PS1_2: C8_U_PS1.2 D2_U_PS1.2 L1_U_PS1.1 U3_U_PS1.8
NetC8_U_PS2_1: C8_U_PS2.1 U3_U_PS2.1 | length 93.6
  Bottom Layer w25: U3_U_PS2.1@4112.24,1766.81 4192.16,1766.81 C8_U_PS2.1@4201.81,1776.46
NetC8_U_PS2_2: C8_U_PS2.2 D2_U_PS2.2 L1_U_PS2.1 U3_U_PS2.8
NetC12_1: C12.1 U4.3 | length 145.2
  Bottom Layer w10: C12.1@3466.14,4010 3476.14,4000 3490,4000 3525,4035 U4.3@3592.72,4035
NetC12_2: C12.2 U4.1 | length 153.1
  Bottom Layer w10: C12.2@3450,3930.7 3470.84,3930.7 3466.54,3935 U4.1@3592.72,3935
NetC13_1: C13.1 U4.5 | length 131.9
  Bottom Layer w10: C13.1@3466.14,4147.79 3478.94,4135 U4.5@3592.72,4135
NetC13_2: C13.2 U4.4 | length 128.3
  Bottom Layer w10: C13.2@3466.14,4080.87 3470.28,4085 U4.4@3592.72,4085
NetC14_2: C14.2 U4.6 | length 139.9
  Bottom Layer w10: C14.2@3466.14,4218.66 3491.34,4218.66 3523.58,4186.42 U4.6@3592.72,4186.42
NetC15_2: C15.2 U4.2 | length 199.8
  Bottom Layer w10: U4.2@3592.72,3985 3650,3985 3688.58,3946.42 C15.2@3688.58,3858.43
NetD1_1: D1.1 P3.1 | length 684
  Top Layer w30: P3.1@3173.23,2971.42 3592.32,2552.32 D1.1@3592.32,2461.02
NetP6_3: P6.3 R6.2 | length 135.5
  Top Layer w10: P6.3@2856.69,2459.61 2856.69,2565.94 R6.2@2877.32,2586.57
NetP6_4: P6.4 R5.2 | length 128.9
  Top Layer w10: P6.4@3012.6,2459.61 3012.6,2581.85 R5.2@3017.32,2586.57
NetP6_5: P6.5 R4.2 | length 131.6
  Top Layer w10: R4.2@3157.32,2586.57 3168.5,2575.39 P6.5@3168.5,2459.61
NetP6_6: P6.6 R3.2 | length 138.2
  Top Layer w10: R3.2@3297.32,2586.57 3324.41,2559.49 P6.6@3324.41,2459.61
NetP7_8: P7.8 R10.1 | length 249.7
  Bottom Layer w10: P7.8@3654.34,5089.88 3654.34,5005.66 3725,4935 R10.1@3725,4869.45
NetP7_9: P7.9 R9.1 | length 1346.4
  Bottom Layer w10: R9.1@3650,4869.45 3650,4960 3600,5010 3600,5210 3675,5285 4325,5285 4407.09,5202.91 P7.9@4407.09,5089.88
NetR2_2: R2.2 U1.8 | length 492.4
  Bottom Layer w10: U1.8@3595.08,3485 3650,3485 3685,3450 3685,3325 3750,3260 3909.69,3260 R2.2@3917.76,3251.93
NetR7_U_PS1_1: R7_U_PS1.1 R8_U_PS1.2 U3_U_PS1.4
NetR7_U_PS2_1: R7_U_PS2.1 R8_U_PS2.2 U3_U_PS2.4
OLED_CS: J1.8 P5.16 | length 2163.8
  Top Layer w10: v1(2467.32,5521.02) 2467.32,5721.02 2487.32,5741.02 2590.65,5741.02 2618.67,5769.04 2618.67,5818.67 2635,5835 2704.72,5835 J1.8@2753.35,5786.38
  Bottom Layer w10: P5.16@2338.98,4160.39 2288.5,4210.87 2288.5,4280.91 2259.41,4310 2219.33,4310 2185,4344.33 2185,4616.04 2165,4636.04 2165,4906.98 2467.32,5209.31 v1(2467.32,5521.02)
OLED_DC: J1.11 P5.20 | length 3047.1
  Top Layer w10: J1.11@2888.59,5886.38 2893.94,5881.02 v1(2977.32,5881.02)
  Bottom Layer w10: P5.20@2338.98,3960.39 2288.58,3910 2219.33,3910 2187.34,3941.99 2187.34,3983.75 2167.34,4003.75 2167.34,4175.47 2129.45,4213.35 2129.45,4286.74 2105,4311.19 2105,4582.91 2085,4602.91 2085,4940.12 2367.32,5222.44 2367.32,5861.02 2476.3,5970 2828.35,5970 2860.04,5938.31 2920.04,5938.31 v1(2977.32,5881.02)
OLED_MOSI: J1.7 P5.17 | length 2441.2
  Top Layer w10: v1(2837.32,5521.02) 2843.51,5527.21 J1.7@2843.51,5786.38
  Bottom Layer w10: P5.17@2238.98,4060.39 2285,4106.42 2285,4185 2257.97,4212.03 2215.62,4212.03 2189.45,4238.21 2189.45,4311.59 2165,4336.04 2165,4607.76 2145,4627.76 2145,4915.27 2427.32,5197.59 2427.32,5551.02 2477.32,5601.02 2757.32,5601.02 v1(2837.32,5521.02)
OLED_RST: J1.12 P5.19 | length 2554.3
  Top Layer w10: v1(2757.32,5931.02) 2757.32,5927.48 J1.12@2798.43,5886.38
  Bottom Layer w10: P5.19@2238.98,3960.39 2187.34,4012.03 2187.34,4183.75 2149.45,4221.64 2149.45,4295.03 2125,4319.47 2125,4591.19 2105,4611.19 2105,4931.84 2387.32,5214.16 2387.32,5852.74 2474.58,5940 2766.3,5940 v1(2757.32,5931.02)
OLED_SCK: J1.6 P5.15 | length 2535
  Top Layer w10: J1.6@2933.67,5786.38 2939.02,5781.02 v1(3017.32,5781.02)
  Bottom Layer w10: P5.15@2238.98,4160.39 2169.45,4229.92 2169.45,4303.31 2145,4327.76 2145,4599.47 2125,4619.47 2125,4923.55 2407.32,5205.88 2407.32,5792.32 2450.91,5835.91 2593.55,5835.91 2594.46,5835 2641.78,5835 2642.68,5835.91 2683.71,5835.91 2684.62,5835 2731.93,5835 2732.83,5835.91 2773.86,5835.91 2774.77,5835 2822.09,5835 2822.99,5835.91 2962.44,5835.91 v1(3017.32,5781.02)
ORANGE_LED: P5.45 R4.1 | length 1052.7
  Top Layer w10: R4.1@3157.32,2655.47 v1(3157.32,2721.02)
  Bottom Layer w10: P5.45@2238.98,2660.39 2288.58,2710 2371.72,2710 2435.46,2773.74 2899.16,2773.74 2919.16,2753.74 3030.87,2753.74 3063.59,2721.02 v1(3157.32,2721.02)
RED_LED: P5.46 R5.1 | length 796.1
  Top Layer w10: R5.1@3017.32,2655.47 v1(3017.32,2721.02)
  Bottom Layer w10: P5.46@2338.98,2660.39 2350.39,2660.39 2443.74,2753.74 2890.87,2753.74 2923.59,2721.02 v1(3017.32,2721.02)
RGB: J1.3 U2.12 | length 2453.3
  Top Layer w10: v1(2707.32,5521.02) 2707.32,5667.32 2717.32,5677.32 J1.3@2708.27,5686.38
  Bottom Layer w10: v1(2707.32,5521.02) 2707.32,5421.02 2185,4898.7 2185,4644.33 2218.46,4610.87 2258.55,4610.87 2288.5,4580.91 2288.5,4540.82 2318.46,4510.87 2358.55,4510.87 2388.5,4480.91 2388.5,4456.5 2415,4430 2858.28,4430 2920,4368.28 2920,4165 2950,4135 U2.12@3000,4135 ; J1.3@2725,5685 J1.3@2727.95,5687.95
RS232_RX: P2.3 U4.13 | length 2555
  Top Layer w10: P2.3@2854.33,2971.42 2854.33,3078.03 2907.32,3131.02 v1(3017.32,3131.02)
  Bottom Layer w10: v1(3017.32,3131.02) 3020.69,3131.02 3044.67,3155 3309.58,3155 3367.32,3212.74 3367.32,3581.02 3397.32,3611.02 4079.31,3611.02 4127.32,3659.04 4127.32,4039.31 4082.3,4084.33 U4.13@3807.28,4084.33
RS232_TX: P2.2 U4.14 | length 2667.4
  Top Layer w10: P2.2@2698.43,2971.42 2698.43,3082.13 2797.32,3181.02 v1(3017.32,3181.02)
  Bottom Layer w10: v1(3017.32,3181.02) 3017.97,3181.67 3307.97,3181.67 3347.32,3221.02 3347.32,3589.31 3389.04,3631.02 4071.02,3631.02 4107.32,3667.32 4107.32,4031.02 4074.02,4064.33 3890.63,4064.33 3861.3,4035 U4.14@3807.28,4035
SDIO_CLK: P5.85 P7.5 R12.1 | length 2211.6
  Top Layer w10: v1(3875,4985) 4125,4735 4125,3535 4160,3500 v2@4160,3239.37
  Bottom Layer w10: R12.1@3875,4869.45 v1(3875,4985) 3875,5049.92 P7.5@3914.97,5089.88 ; v2(4157.32,3231.02) 4227.95,3160.39 P5.85@4238.98,3160.39
SDIO_CMD: P5.84 P7.2 R13.1 | length 2537.5
  Top Layer w10: v1(3950,4985) 3950,4978.43 4150,4778.43 4150,3559.91 4180,3529.91 4180,3340 4210,3310 4217.87,3310 4218.27,3310.39 4259.69,3310.39 4260.08,3310 4416.3,3310 v2(4417.32,3311.02)
  Bottom Layer w10: R13.1@3950,4869.45 v1(3950,4985) 3952.5,4982.5 4147.5,4982.5 4210.24,5045.24 P7.2@4210.24,5089.88 ; P5.84@4338.98,3260.39 4356.69,3260.39 4407.32,3311.02 v2(4417.32,3311.02)
SDIO_CS: P5.93 P7.1 | length 3174.5
  Top Layer w10: v2(4157.32,3071.02) 4159.92,3071.02 4139.92,3091.02 4097.32,3091.02 4067.32,3121.02 4067.32,3261.02 4120,3313.7 4120,3450 4075,3495 4075,4635 3750,4960 3750,5010 3770,5030 4280,5030 v1(4300,5010)
  Bottom Layer w10: v2(4157.32,3071.02) 4157.32,2842.05 P5.93@4238.98,2760.39 ; v1(4300,5010) 4308.67,5018.67 P7.1@4308.67,5089.88
SDIO_D0: P5.95 P7.7 R11.1 | length 2783.6
  Top Layer w10: v1(3800,4985) 4100,4685 4100,3510 4140,3470 4140,3280.95 4118.7,3259.65 v2(4118.7,3143.7)
  Bottom Layer w10: P7.7@3721.27,5058.34 P7.7@3721.27,5059.13 ; P7.7@3721.27,5089.88 P7.7@3721.27,5059.13 ; R11.1@3800,4869.45 v1@3800,4979.61 ; v1(3800,4985) v1@3800,4980.39 ; v2(4118.7,3143.7) 4118.7,3046.17 4137.32,3027.55 4137.32,2833.76 4185,2786.09 4185,2714.37 P5.95@4238.98,2660.39 ; P7.7@3721.27,5059.13 v1@3800,4980.39 ; v1@3800,4979.61 3799.61,4980 v1@3800,4980.39 ; v1@3800,4979.61 v1@3800,4980.39
SPI_2_MOSI: P5.9 U2.13 | length 1029.3
  Bottom Layer w10: P5.9@2238.98,4460.39 2289.37,4410 2850,4410 2900,4360 2900,4135 2946.85,4088.15 U2.13@2982.28,4088.15
UART_RX: P5.74 U4.12 | length 920.7
  Bottom Layer w10: U4.12@3807.28,4132.87 4122.13,4132.87 4165,4090 4165,3806.09 4185,3786.09 4185,3740 4214.61,3710.39 4288.98,3710.39 P5.74@4338.98,3760.39
UART_TX: P5.73 U4.11 | length 773
  Bottom Layer w10: U4.11@3807.28,4182.87 4100.41,4182.87 4185,4098.28 4185,3814.37 P5.73@4238.98,3760.39
pads on no net: J1.1 J1.2 P5.6 P5.7 P5.8 P5.10 P5.11 P5.12 P5.13 P5.14 P5.21 P5.22 P5.24 P5.25 P5.26 P5.27 P5.28 P5.29 P5.30 P5.31 P5.32 P5.33 P5.34 P5.35 P5.36 P5.37 P5.38 P5.39 P5.40 P5.41 P5.42 P5.43 P5.48 P5.53 P5.54 P5.55 P5.56 P5.57 P5.58 P5.59 P5.60 P5.61 P5.62 P5.64 P5.67 P5.68 P5.69 P5.70 P5.71 P5.75 P5.76 P5.77 P5.78 P5.79 P5.80 P5.82 P5.87 P5.88 P5.89 P5.90 P5.91 P5.92 P5.94 P5.96 P5.97 P5.98 P7. P7.CD P7.WP P7.Z1 P7.Z2 U1.5 U2.1 U2.2 U2.3 U2.4 U2.5 U3_U_PS1.2 U3_U_PS1.3 U3_U_PS1.5 U3_U_PS2.2 U3_U_PS2.3 U3_U_PS2.5 U4.7 U4.8 U4.9 U4.10
copper on no net: | length 166906